# Altium PCB AS5600.PcbDoc
Units mm, origin at the board's own origin, x right, y up, seen from the top; angles counter-clockwise.
Board outline 26.5 x 26.5 mm, 2 copper layers (Top Layer, Bottom Layer); 9 components, 8 nets, 38 pads, 38 vias.
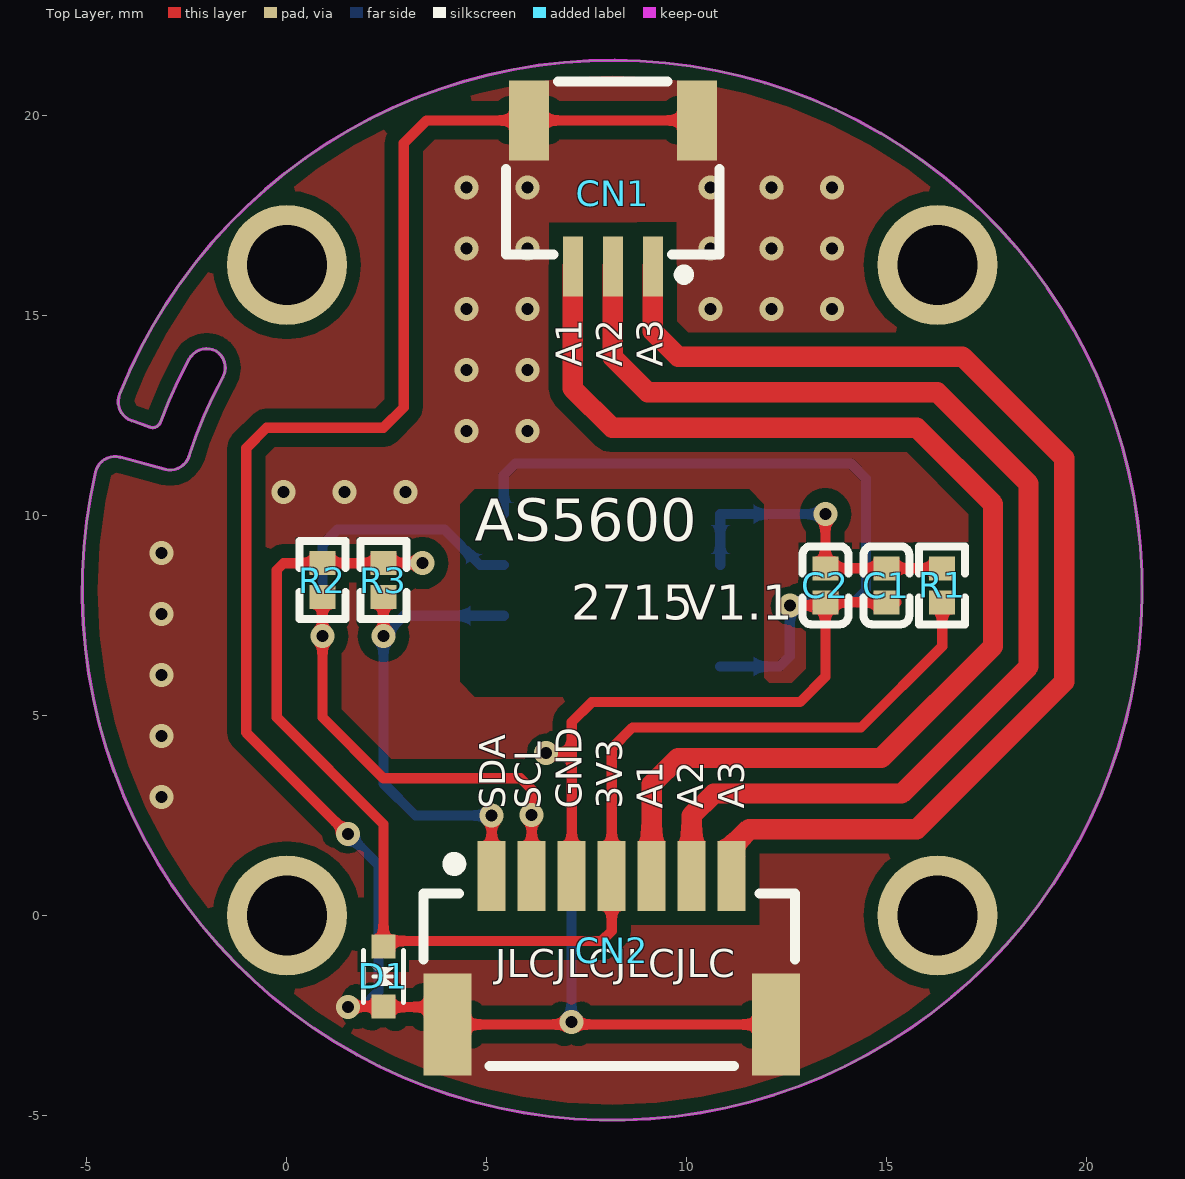
[diagram p0: Top Layer view]
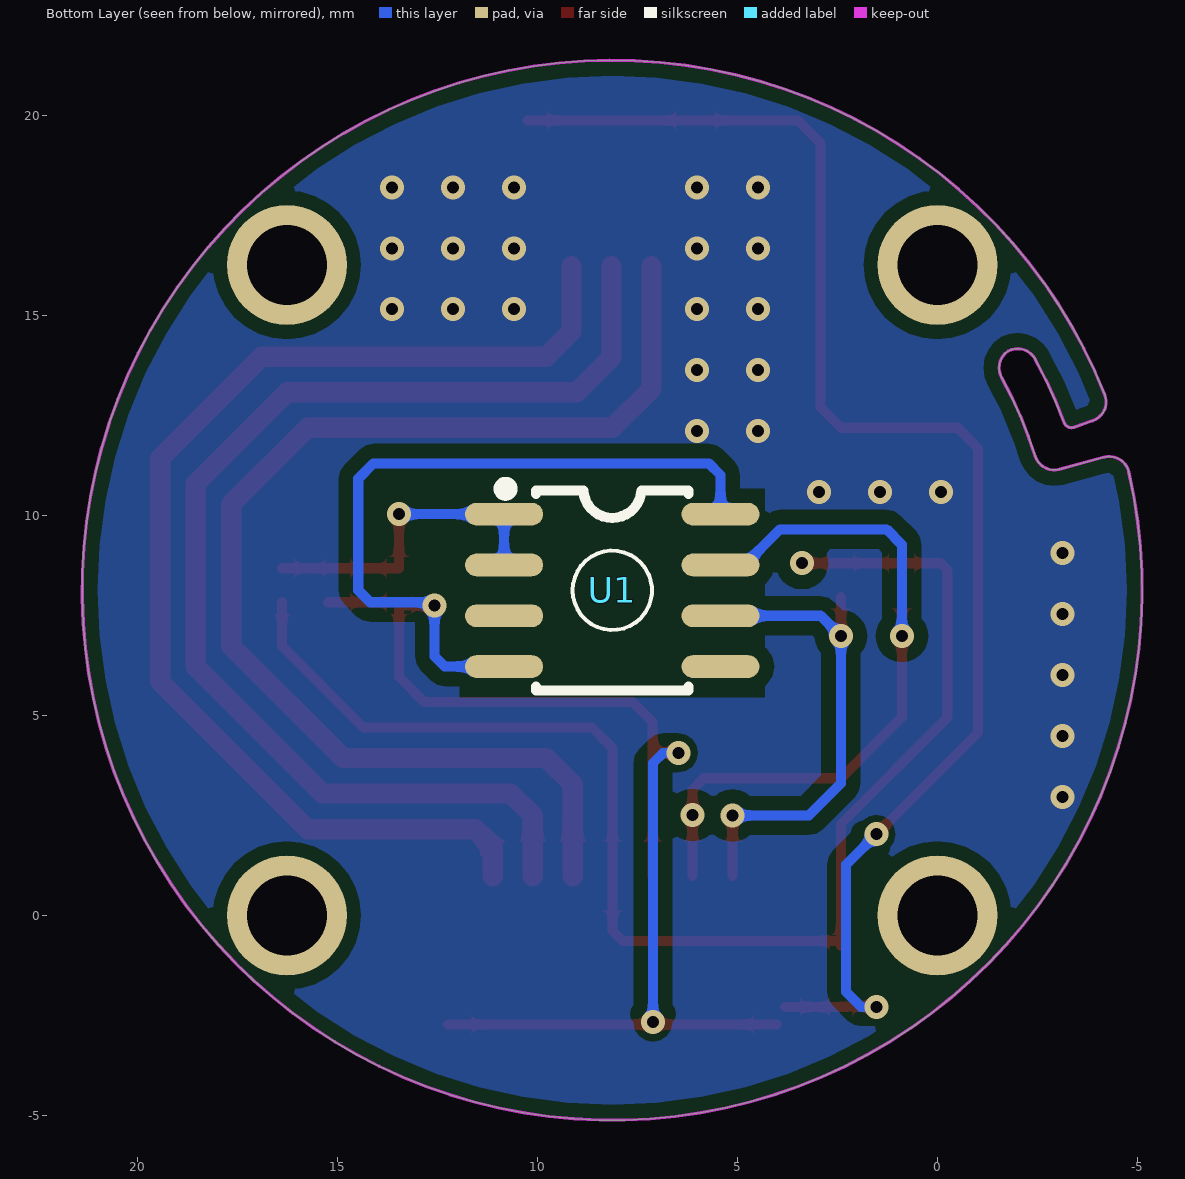
[diagram p1: Bottom Layer view, seen from below]

## Layer stack, top to bottom
Top Solder: solder mask 0.0102, Solder Resist, Dk 3.5
Top Layer: signal copper 0.0356
Dielectric 1: dielectric 0.32, FR-4, Dk 4.8
Bottom Layer: signal copper 0.0356
Bottom Solder: solder mask 0.0102, Solder Resist, Dk 3.5

## Board outline
-4.785,11.086 cw(c-4.297,10.975) -4.167,11.457 -3.05,11.155 ccw(c-2.92,11.638) -2.443,11.487 cw(c8.132,8.132) -1.603,13.453 ccw(c-2.042,13.692) -1.765,14.109 ccw(c-2.004,13.669) -2.443,13.909 ccw(c8.132,8.132) -3.165,12.325 cw(c-3.352,12.395) -3.419,12.206 -3.883,12.37 cw(c-3.716,12.841) -4.181,13.026 cw(c8.132,8.132)

## Design rules (kind name [scope] priority, off if disabled: settings)
Clearance [All] p1: gap=0.15
PolygonConnect [All] p1: connectstyle=Direct reliefconductorwidth=0.254 reliefentries=4 polygonreliefangle="90 Angle" airgapwidth=0.254
RoutingVias [All] p1: holewidth=0.711 width=1.27 viastyle="Through Hole" minholewidth=0.711 minwidth=1.27 maxholewidth=0.711 maxwidth=1.27
SolderMaskExpansion [All] p1: expansion=0.102
UnpouredPolygon [All] p1: allowunpoured=FALSE
Width [All] p1: maxlimit=1 minlimit=0.254 preferedwidth=0.254
29 further rules are at their usual default settings.

## Components (designator, comment, footprint, x,y, rotation, side; value= is the part's Value field where it differs from the comment)
C1 "10uF (106) 20% 6.3V" 0402_C 14.986,8.255 r90 top
C2 "100nF (104) 10% 16V" 0402_C 13.462,8.255 r90 top
CN1 "HC-1.0-3PWT" CONN-SMD_3P-P1.0-HC-1.0-3PWT 8.147,18.052 r180 top
CN2 "HC-1.0-7PWT" CONN-SMD_HC-1.0-7PWT 8.121,-0.871 r0 top
D1 "ESD5Z3.3C" SOD-523_L1.2-W0.8-LS1.6-BI 2.413,-1.524 r270 top
R1 "0Ω (0R0) ±1%" 0402_R 16.383,8.255 r270 top
R2 "4.7KΩ (4701) ±1%" 0402_R 0.889,8.382 r90 top
R3 "4.7KΩ (4701) ±1%" 0402_R 2.413,8.382 r90 top
U1 "AS5600-ASOT" SOIC-8_L5.0-W4.0-P1.27-LS6.0-BL 8.128,8.128 r270 bottom

## Footprints (in the part's own frame and the unit in brackets; to place one, negate y for a bottom-side part, rotate by r counter-clockwise, add the part's x,y. Pads: shape width x height; smd on the part's side, far side on the other; paste and mask are expansions set on the pad)
0402_C [mm]
  rect 0.6x0.65 smd mask+0.051: 1(-0.425,0) 2(0.425,0)
  silkscreen extent -0.97,-0.58 0.97,0.58, body extent -0.48,-0.3 0.52,0.3, height 0.2
0402_R [mm]
  rect 0.6x0.65 smd mask+0.051: 1(-0.425,0) 2(0.425,0)
  silkscreen extent -0.97,-0.58 0.97,0.58, body extent -0.57,-0.27 0.58,0.28, height 0.41
CONN-SMD_3P-P1.0-HC-1.0-3PWT [mm]
  rect 0.5x1.5 smd: 1(-1,1.825) 2(0,1.825) 3(1,1.825)
  rect 1x2 smd: 4(-2.1,-1.825) 5(2.1,-1.825)
  silkscreen extent -2.67,-2.79 2.67,2.16, body extent -2.62,-2.8 2.68,2.25, height 3.24
CONN-SMD_HC-1.0-7PWT [mm]
  rect 0.7x1.75 smd: 1(-3,1.855) 2(-2,1.855) 3(-1,1.855) 4(0,1.855) 5(1,1.855) 6(2,1.855) 7(3,1.855)
  rect 1.2x2.55 smd: 8(-4.11,-1.855) 9(4.11,-1.855)
  silkscreen extent -4.71,-2.89 4.58,2.31, body extent -4.68,-2.94 4.62,2.11
SOD-523_L1.2-W0.8-LS1.6-BI [mm]
  rect 0.6x0.6 smd: 1(-0.75,0) 2(0.75,0)
  silkscreen extent -0.65,-0.5 0.65,0.5, body extent -0.75,-0.4 0.85,0.4, height 0.65
SOIC-8_L5.0-W4.0-P1.27-LS6.0-BL [mil]
  oval 22.38x76.78 smd: 1(-75,-106.5) 2(-25,-106.5) 3(25,-106.5) 4(75,-106.5) 5(75,106.5) 6(25,106.5) 7(-25,106.5) 8(-75,106.5)
  silkscreen extent -106,-111 98,75, body extent -98,-116 100,122, height 63

## Part data
C1: library part "0402 10uF (106) 20% 6.3V", "贴片电容"
C2: library part "0402 100nF (104) 10% 16V", "贴片电容"
R1: library part "0402 0Ω (0R0) 1%", "贴片电阻"
R2 R3: library part "0402 4.7KΩ (4701) 1%", "贴片电阻"

## Free pads (board coordinates)
  round 3 hole 2: 0(0,0) 0(0,16.264) 0(16.264,0) 0(16.264,16.264)

## Via types
v1: diameter 0.6, hole 0.3, Top Layer to Bottom Layer, tented both sides, 38 vias

## Nets (pads, with @x,y where several pads share a name; then routed paths per layer and width w, separated by ;. In a path a pad name is that pad's centre, name@x,y a point inside that pad or via, vN(x,y) a via of type N, cw(c..) or ccw(c..) an arc to the next point about the centre after c; other vN are vias at no path point)
GND: C1.1 C2.1 CN1.4 CN1.5 CN2.3 CN2.8 CN2.9 D1.2 U1.4 U1.8 | length 86
  Top Layer w0.254: v1(1.524,2.032) -1.016,4.572 -1.016,11.684 -0.508,12.192 2.413,12.192 2.921,12.7 2.921,19.304 3.494,19.877 CN1.5 CN1.4 ; v1@1.766,-2.274 D1.2 ; D1.2@2.278,-2.289 CN2.8@3.806,-2.289 ; CN2.8 CN2.9 ; v1(6.477,4.064) 7.121,4.064 ; CN2.3 7.121,4.064 ; v1(12.573,7.747) 13.379,7.747 C2.1 13.462,5.969 12.827,5.334 7.62,5.334 7.121,4.835 7.121,4.064 ; C2.1@13.716,7.83 C1.1@15.24,7.83
  Bottom Layer w0.254: v1(1.524,-2.286) 1.905,-2.286 2.286,-1.905 2.286,1.27 v1(1.524,2.032) ; U1.8 5.423,11.011 5.715,11.303 14.097,11.303 14.478,10.922 14.478,8.128 14.18,7.83 12.573,7.83 12.573,6.477 12.319,6.223 U1.4 ; v1(6.477,4.064) 6.858,4.064 7.112,3.81 v1(7.112,-2.667)
  other v1: -3.131,2.965 -3.131,4.489 -3.131,6.013 -3.131,7.537 -3.131,9.061 -0.083,10.585 1.441,10.585 2.965,10.585 4.489,12.109 6.013,12.109 4.489,13.633 6.013,13.633 4.489,15.157 6.013,15.157 10.585,15.157 12.109,15.157 13.633,15.157 4.489,16.681 6.013,16.681 10.585,16.681 12.109,16.681 13.633,16.681 4.489,18.205 6.013,18.205 10.585,18.205 12.109,18.205 13.633,18.205
NetC1_2: C1.2 C2.2 R1.1 U1.1 U1.2 | length 8.2
  Top Layer w0.254: v1(13.462,10.033) C2.2 R1.1
  Bottom Layer w0.254: U1.2 U1.1 v1(13.462,10.033)
POUT_A1_N: CN1.3 CN2.5 | length 30.6
  Top Layer w0.508: CN1.3 7.147,13.173 8.128,12.192 15.748,12.192 17.653,10.287 17.653,6.731 14.859,3.937 9.779,3.937 9.121,3.279 CN2.5
POUT_A2_N: CN1.2 CN2.6 | length 30
  Top Layer w0.508: CN1.2 8.147,13.951 9.017,13.081 16.256,13.081 18.542,10.795 18.542,6.223 15.367,3.048 10.668,3.048 10.121,2.501 CN2.6
POUT_A3: CN1.1 CN2.7 | length 29.6
  Top Layer w0.508: CN1.1 9.147,14.602 9.779,13.97 16.891,13.97 19.431,11.43 19.431,5.842 15.748,2.159 11.557,2.159 11.121,1.723 CN2.7
SCL: CN2.2 R2.1 U1.7 | length 18.5
  Top Layer w0.254: R2.1 v1(0.889,6.985) 0.889,4.953 2.413,3.429 5.842,3.429 6.121,3.15 v1(6.121,2.515) CN2.2
  Bottom Layer w0.254: v1(0.889,6.985) 0.889,9.271 1.27,9.652 3.937,9.652 4.826,8.763 U1.7
SDA: CN2.1 R3.1 U1.6 | length 12.4
  Top Layer w0.254: v1(2.413,6.985) R3.1 ; CN2.1 v1(5.121,2.499)
  Bottom Layer w0.254: v1(5.121,2.499) 3.216,2.499 2.413,3.302 v1(2.413,6.985) 2.921,7.493 U1.6
VCC_3V3: CN2.4 D1.1 R1.2 R2.2 R3.2 | length 34.9
  Top Layer w0.254: D1.1@2.413,-0.762 2.413,2.286 -0.254,4.953 -0.254,8.636 -0.083,8.807 R2.2 R3.2 v1(3.385,8.807) ; D1.1@2.54,-0.635 7.874,-0.635 8.121,-0.388 CN2.4 8.121,4.184 8.636,4.699 14.351,4.699 16.383,6.731 R1.2
pads on no net: U1.3 U1.5

## Polygon pours and split planes (outlines as drawn)
GND on Bottom Layer "Top Overlay-No Net" (solid, remove dead copper, pour order 6): -5.73,21.556 -5.73,-5.749 21.575,-5.749 21.575,21.556 -5.73,21.556
GND on Top Layer "Top Overlay-No Net" (solid, remove dead copper, pour order 8): -5.588,21.59 -5.588,-5.715 21.717,-5.715 21.717,21.59 -5.715,21.59

## Keep-outs
Keep-Out Layer:
  the board outline again, w0.08

## Other copper
Top Layer:
  pour cut-out: 4.318,10.287 4.318,5.842 4.699,5.461 11.557,5.461 11.938,5.842 11.938,10.287 11.557,10.668 4.699,10.668
Bottom Layer:
  pour cut-out: 4.318,10.668 4.318,5.461 11.938,5.461 11.938,10.668

## Silkscreen, mask and mechanical layers (free items; w line width, h text height)
Top Overlay:
  text "A1" at 7.366,13.716 h0.65 r90
  text "A2" at 8.382,13.716 h0.65 r90
  text "A3" at 9.398,13.716 h0.65 r90
  text "AS5600" at 4.699,9.017 h1.8
  text "2715" at 7.112,7.112 h1.5
  text "V1.1" at 9.906,7.112 h1.5
  text "SDA" at 5.461,2.667 h0.65 r90
  text "SCL" at 6.35,2.667 h0.65 r90
  text "GND" at 7.366,2.667 h0.65 r90
  text "3V3" at 8.382,2.667 h0.65 r90
  text "A1" at 9.398,2.667 h0.65 r90
  text "A2" at 10.414,2.667 h0.65 r90
  text "A3" at 11.43,2.667 h0.65 r90
  text "JLCJLCJLCJLC" at 5.207,-1.778 h1.2
Bottom Overlay:
  circle w0.1: c8.128,8.128 r0.992
Mechanical 1:
  the board outline again, w0.08
Mechanical 2:
  drawing of 1208 lines, arcs and shapes, not listed